# Altium PCB 3-as-manufactured.PcbDoc (part 14 of 16)
Units mil, origin at the board's own origin, x right, y up, seen from the top; angles counter-clockwise.
Board outline 4130.55 x 4250 mil, 8 copper layers (L1_TOP, L2_GND, L3_INT, L4_PWR, L5_PWR, L6_INT, L7_GND, L8_BOT), stack 61 mil thick; 584 components, 489 nets, 2229 pads, 1894 vias.
Unrouted connection lines stored in the file: 4.
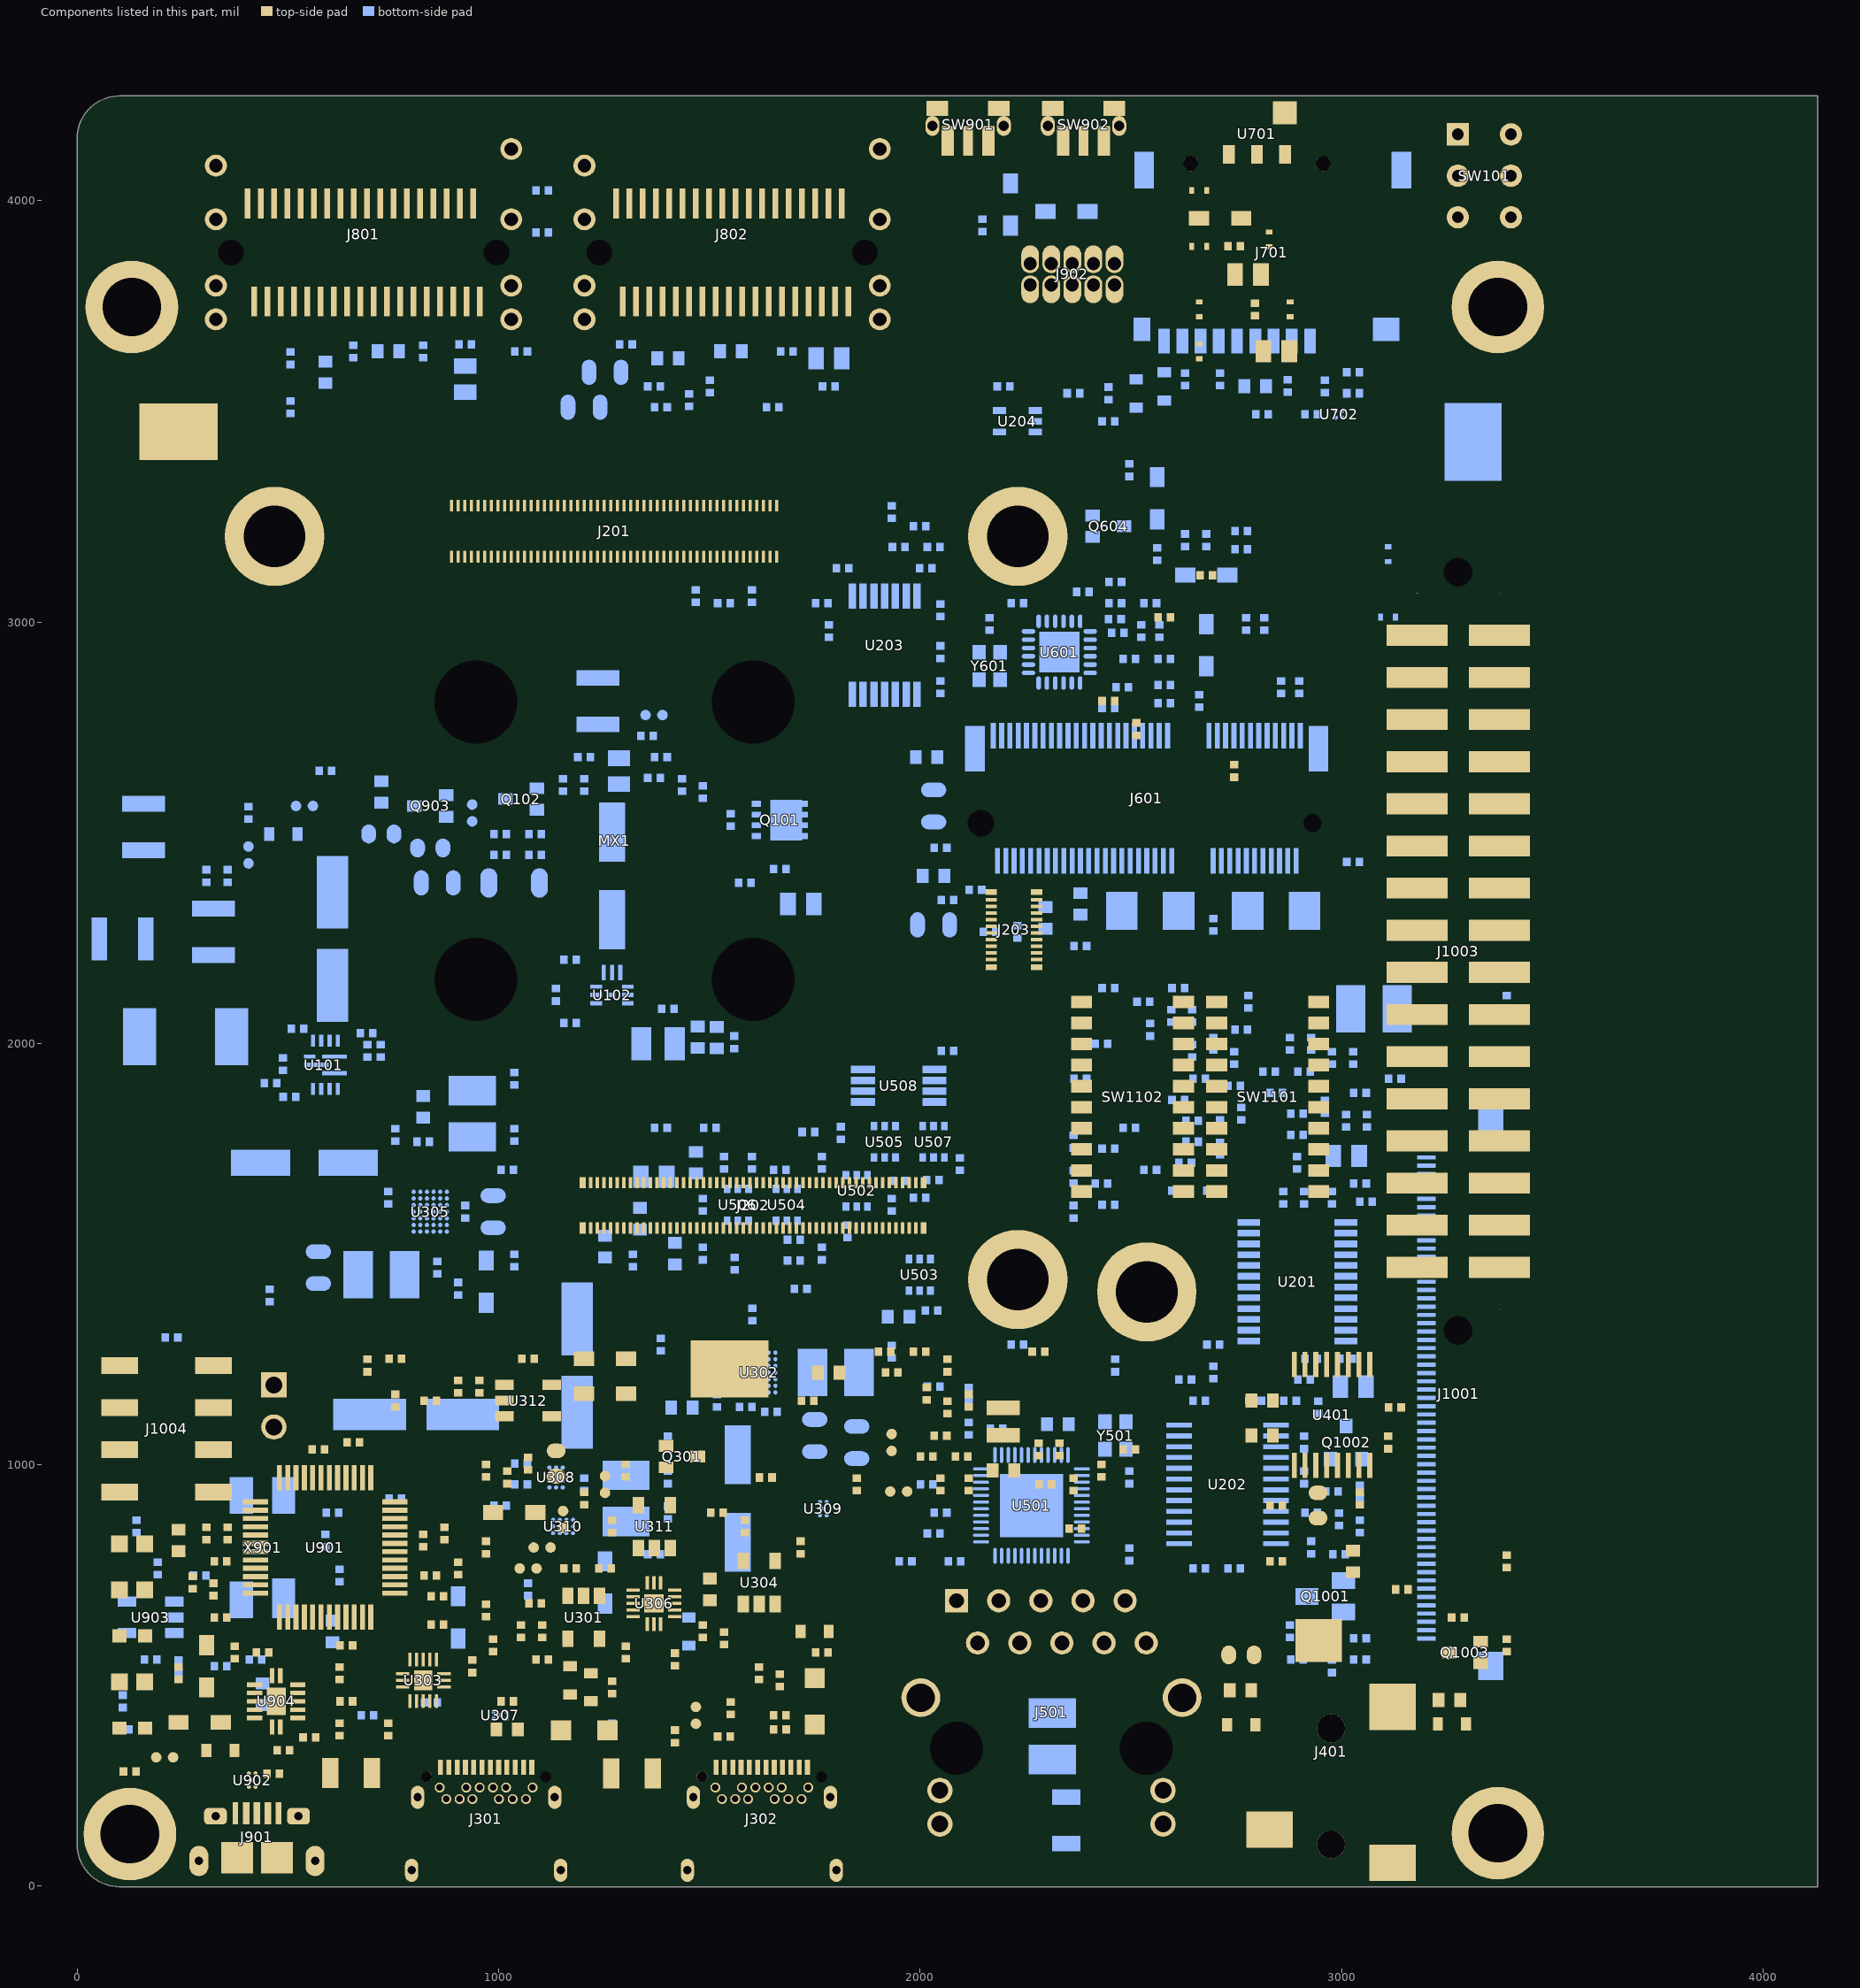
[diagram p20: the components of this part, seen from the top]

## Polygon pours and split planes (outlines as drawn) (continued)
VBUS_IN on L8_BOT "POUR_74" (solid, remove dead copper, pour order 305): 67 vertices, not listed, extent 1707.98,1058.27 1891,1136.91
GND on L8_BOT "GND_L08_P459" (solid, remove dead copper, pour order 459): 17 vertices, not listed, extent 2385.85,2965 2572.56,3153
VBUS_IN on L8_BOT "VBUS_IN_L08_P441" (solid, remove dead copper, pour order 441): 51 vertices, not listed, extent 383,1023.87 1353.27,1902
VDD_3V3 on L8_BOT "POUR_130" (solid, remove dead copper, pour order 356): 37 vertices, not listed, extent 1992.61,3206.09 2034.02,3252.56
VDD_5V on L8_BOT "POUR_179" (solid, remove dead copper, pour order 403): 27 vertices, not listed, extent 1665.12,1046.3 1791.19,1286.71
VDD_3V3 on L8_BOT "POUR_126" (solid, remove dead copper, pour order 352): 24 vertices, not listed, extent 3037.68,516.64 3099.7,560.05
ENET_AVDDL_1V1 on L8_BOT "POUR_7" (solid, remove dead copper, pour order 250): 66 vertices, not listed, extent 2334.93,751.11 2417.16,895.82
ENET_DVDDL_1V1 on L8_BOT "ENET_DVDDL_1V1_L08_P431" (solid, remove dead copper, pour order 431): 2315.56,1131.69 2328.03,1144.16 2328.03,1147.64 2342.8,1147.64 2379.06,1111.38 2379.06,1018.72 2339.05,978.71 2284.87,978.71 2278.05,985.53 2278.05,992.05 2286.53,1000.53 2317.05,1000.53 2317.05,1121.42 2315.93,1122.54
VDD_3V3 on L8_BOT "POUR_159" (solid, remove dead copper, pour order 383): 37 vertices, not listed, extent 1260.75,3497.98 1328.83,3634.77
ENET_AVDDL_1V1 on L8_BOT "ENET_AVDDL_1V1_L08_P432" (solid, remove dead copper, pour order 432): 2283.67,1008.3 2283.67,1048.31 2268.89,1063.08 2268.89,1074.92 2253.55,1090.25 2305.83,1150.31 2327.12,1119.88 2323.97,1043.22
VDD_3V3 on L8_BOT "POUR_125" (solid, remove dead copper, pour order 351): 28 vertices, not listed, extent 2871.8,1130.89 2923.9,1174.3
VDD_3V3 on L8_BOT "POUR_140" (solid, remove dead copper, pour order 365): 37 vertices, not listed, extent 2872.63,1711.11 2916.04,1755.24
VDD_3V3 on L8_BOT "POUR_138" (solid, remove dead copper, pour order 363): 31 vertices, not listed, extent 2858.87,1757.99 2900.28,1805.16
VPCIE_3V3 on L8_BOT "POUR_201" (solid, remove dead copper, pour order 422): 25 vertices, not listed, extent 2563.27,2231.64 2868.04,2398.26
VPCIE_3V3 on L8_BOT "POUR_197" (solid, remove dead copper, pour order 418): 37 vertices, not listed, extent 2149.51,2258.96 2345.72,2475.49
VDD_1V8 on L8_BOT "POUR_92" (solid, remove dead copper, pour order 321): 37 vertices, not listed, extent 1808.82,1666.13 1935.31,1825.76
VDDEXT_3V3 on L8_BOT "POUR_77" (solid, remove dead copper, pour order 307): 17 vertices, not listed, extent 1345.65,2698.83 1423.98,2763.55
VDDEXT_3V3 on L8_BOT "POUR_76" (solid, remove dead copper, pour order 306): 36 vertices, not listed, extent 1378.83,2607.59 1462.26,2701.65
PCIE_VDD_1V8 on L8_BOT "POUR_97" (solid, remove dead copper, pour order 326): 45 vertices, not listed, extent 2342.47,2821.89 2376.95,2883.29
PCIE_VDDA_1V8 on L8_BOT "POUR_96" (solid, remove dead copper, pour order 325): 53 vertices, not listed, extent 2223.12,2901.78 2284.62,2936.26
VDD_3V3 on L8_BOT "POUR_151" (solid, remove dead copper, pour order 376): 29 vertices, not listed, extent 1810.13,3106.48 1851.54,3159.02
VDD_3V3 on L8_BOT "POUR_157" (solid, remove dead copper, pour order 381): 30 vertices, not listed, extent 2794.69,3525.54 2846.1,3588.03
PCIE_VDD_1V8 on L8_BOT "POUR_102" (solid, remove dead copper, pour order 328): 26 vertices, not listed, extent 2031.61,2369.51 2083.02,2434.61
VDD_3V3 on L8_BOT "POUR_160" (solid, remove dead copper, pour order 384): 49 vertices, not listed, extent 1964.41,2239.76 2023.68,2340.14
VDD_3V3 on L8_BOT "POUR_152" (solid, remove dead copper, pour order 377): 37 vertices, not listed, extent 2726.16,2008.03 2767.57,2054.19
VDD_3V3 on L8_BOT "POUR_158" (solid, remove dead copper, pour order 382): 34 vertices, not listed, extent 2545.15,1051.02 2655.94,1112.03
VDD_3V3 on L8_BOT "POUR_133" (solid, remove dead copper, pour order 359): 28 vertices, not listed, extent 2754.91,1127.97 2800.75,1174.3
VDD_3V3 on L8_BOT "POUR_148" (solid, remove dead copper, pour order 373): 28 vertices, not listed, extent 2606.38,1628.94 2647.79,1684.58
VDD_3V3 on L8_BOT "POUR_141" (solid, remove dead copper, pour order 366): 31 vertices, not listed, extent 2440.5,1595.74 2494.32,1639.15
VDD_3V3 on L8_BOT "POUR_161" (solid, remove dead copper, pour order 385): 26 vertices, not listed, extent 1823.93,1860.8 1936.51,1933.17
USB1_OTG_VBUS_F on L8_BOT "USB1_OTG_VBUS_F_L08_P434" (solid, remove dead copper, pour order 434): 1619.88,1266.24 1619.88,1273.36 1620.82,1274.3 1629.37,1286.47 1629.37,1330 1664.12,1330 1664.12,1270.95 1650.34,1270.95 1645.63,1266.24
VDD_3V3 on L8_BOT "POUR_154" (solid, remove dead copper, pour order 379): 30 vertices, not listed, extent 1948.67,1316.26 2000.08,1380.02
VDD_3V3 on L8_BOT "POUR_150" (solid, remove dead copper, pour order 375): 29 vertices, not listed, extent 188.11,1274.94 229.52,1323.72
VLDO_3V3 on L8_BOT "POUR_194" (solid, remove dead copper, pour order 415): 27 vertices, not listed, extent 930.66,1321.4 1058.12,1520.1
VBUS_IN on L8_BOT "POUR_71" (solid, remove dead copper, pour order 302): 43 vertices, not listed, extent 691.35,2120.48 921.26,2498.36
VDD_3V3 on L8_BOT "POUR_135" (solid, remove dead copper, pour order 360): 30 vertices, not listed, extent 1528.95,2495.06 1581.96,2536.47
SYS_5V on L8_BOT "POUR_32" (solid, remove dead copper, pour order 271): 26 vertices, not listed, extent 1711.31,2292.89 1777.79,2406.23
VDD_5V on L8_BOT "POUR_176" (solid, remove dead copper, pour order 400): 36 vertices, not listed, extent 1642.1,2292.89 1716.37,2436.02
VDD_5V on L8_BOT "POUR_178" (solid, remove dead copper, pour order 402): 23 vertices, not listed, extent 1047.89,637.94 1158.18,710.3
USB1_OTG_VBUS_F on L8_BOT "POUR_45" (solid, remove dead copper, pour order 282): 27 vertices, not listed, extent 874.5,528.14 934.63,623.66
VLDO_3V3 on L8_BOT "POUR_192" (solid, remove dead copper, pour order 413): 29 vertices, not listed, extent 1017.54,981.48 1058.95,1030.95
VLDO_3V3 on L8_BOT "POUR_193" (solid, remove dead copper, pour order 414): 21 vertices, not listed, extent 1352.18,1180.06 1430.39,1291.36
VDD_5V on L8_BOT "VDD_5V_L08_P433" (solid, remove dead copper, pour order 433): 1575.51,1405 1617.09,1405 1647.55,1405 1660.63,1390.04 1683.94,1368.62 1683.94,1330 1664.12,1330 1629.37,1330 1629.37,1286.47 1612.68,1262.71 1604.14,1261.24 1575.51,1261.24
VDD_3V3 on L8_BOT "POUR_123" (solid, remove dead copper, pour order 349): 28 vertices, not listed, extent 1496.79,1681.59 1555.78,1723
VDD_1V8 on L8_BOT "POUR_88" (solid, remove dead copper, pour order 317): 1219.35,1519.23 1229.29,1525.48 1342.03,1525.48 1344.7,1525.48 1373,1525.48 1373,1504.66 1333.5,1479.84 1331.02,1478.98 1328.42,1478.68 1271.17,1466.83 1243.2,1456.58 1219.35,1473.23
VDD_3V3 on L8_BOT "POUR_156" (solid, remove dead copper, pour order 380): 20 vertices, not listed, extent 1306.8,1527.9 1354.11,1584.35
SYS_5V on L8_BOT "POUR_30" (solid, remove dead copper, pour order 269): 1172.5,1624.5 1322.32,1774.32 1371.76,1903.65 1374.19,1906.08 1380.04,1911.93 1391.74,1900.23 1406.95,1750.75 1394.64,1726.99 1367.06,1654.96 1366.19,1652.49 1364.8,1650.27 1362.94,1648.41 1219.35,1519.23 1172.5,1529
VDD_3V3 on L8_BOT "POUR_132" (solid, remove dead copper, pour order 358): 29 vertices, not listed, extent 1133.66,2021.66 1175.07,2070.79
SYS_5V on L8_BOT "POUR_29" (solid, remove dead copper, pour order 268): 32 vertices, not listed, extent 1163.18,2176.36 1370.74,2395.12
SYS_5V on L8_BOT "POUR_31" (solid, remove dead copper, pour order 270): 37 vertices, not listed, extent 1244.39,2057.85 1407.31,2132.05
VDD_3V3 on L8_BOT "POUR_128" (solid, remove dead copper, pour order 354): 39 vertices, not listed, extent 2013.13,2893.5 2070.02,2966.04
VDD_3V3 on L8_BOT "POUR_131" (solid, remove dead copper, pour order 357): 31 vertices, not listed, extent 2026.61,2983.4 2070.02,3034.52
PCIE_VDDA_1V8 on L8_BOT "POUR_101" (solid, remove dead copper, pour order 327): 2015.32,2699.05 2026.19,2764.66 2072.27,2764.66 2072.27,2706.85 2066.44,2663.44 2066.14,2660.84 2063.77,2633.2 2023.9,2617.27 2001.76,2639.41 2015.02,2696.44
VDD_5V on L8_BOT "POUR_175" (solid, remove dead copper, pour order 399): 23 vertices, not listed, extent 882.31,3577.06 1058.95,3699.84
VDD_5V on L8_BOT "POUR_173" (solid, remove dead copper, pour order 397): 20 vertices, not listed, extent 1677.42,3587.81 1851.74,3734.49
PCIE_VDD_DIG on L8_BOT "POUR_164" (solid, remove dead copper, pour order 388): 62 vertices, not listed, extent 2243.49,2974.42 2298.21,3029.75
USB2_VBUS_IN on L8_BOT "POUR_64" (solid, remove dead copper, pour order 296): 52 vertices, not listed, extent 938.8,1609.52 1058.12,1789.4
5V_REG on L8_BOT "POUR_19" (solid, remove dead copper, pour order 258): 23 vertices, not listed, extent 213.55,1936.67 494.64,2317.85
5V_REG on L8_BOT "POUR_21" (solid, remove dead copper, pour order 260): 46 vertices, not listed, extent 905.24,2318 1008.21,2427.86
USB2_VBUS_IN on L8_BOT "POUR_67" (solid, remove dead copper, pour order 298): 30 vertices, not listed, extent 515.97,1476.46 650.37,1629.18
ENET_DVDDL_1V1 on L8_BOT "POUR_14" (solid, remove dead copper, pour order 255): 23 vertices, not listed, extent 2369.03,1229.66 2484.74,1289.15
PCIE_VDD_DIG on L8_BOT "POUR_165" (solid, remove dead copper, pour order 389): 41 vertices, not listed, extent 2095.79,2293 2153.79,2424.98
VDDEXT_3V3 on L8_BOT "POUR_80" (solid, remove dead copper, pour order 309): 32 vertices, not listed, extent 1887.02,2535.92 2073.47,2648.92
VDD_3V3 on L8_BOT "POUR_147" (solid, remove dead copper, pour order 372): 27 vertices, not listed, extent 2307.51,1894.56 2386.03,1937.98
ENET_AVDD33 on L8_BOT "POUR_2" (solid, remove dead copper, pour order 245): 27 vertices, not listed, extent 1897.49,1306.52 1948.9,1380.02
VDD_3V3 on L8_BOT "POUR_137" (solid, remove dead copper, pour order 362): 28 vertices, not listed, extent 2822.03,1911.17 2863.44,1966.1
VDD_3V3 on L8_BOT "POUR_153" (solid, remove dead copper, pour order 378): 31 vertices, not listed, extent 2866.05,1911.17 2916.87,1954.58
VDD_3V3 on L8_BOT "POUR_149" (solid, remove dead copper, pour order 374): 37 vertices, not listed, extent 2623.8,2030.22 2673.24,2071.63
VDDEXT_3V3 on L8_BOT "VDDEXT_3V3_L08_P428" (solid, remove dead copper, pour order 428): 1393.75,2038.5 1376.77,2021.52 1376.77,1962 1362.18,1947.41 1586.91,1947.41 1605.63,1966.13 1605.63,2002.63 1606,2003 1600.24,2008.76 1549,2008.76 1549,2010.09 1532.5,2026.59 1453.66,2026.59 1441.75,2038.5
ENET_AVDD33 on L8_BOT "POUR_1" (solid, remove dead copper, pour order 244): 61 vertices, not listed, extent 2275.29,753.46 2319.15,816.42
ENET_AVDDL_1V1 on L8_BOT "POUR_9" (solid, remove dead copper, pour order 251): 40 vertices, not listed, extent 2239.12,730.2 2271.91,814.78
VPCIE_3V3 on L8_BOT "POUR_198" (solid, remove dead copper, pour order 419): 33 vertices, not listed, extent 2854.57,2377.44 3032.99,2481.11
VDD_3V3 on L8_BOT "POUR_145" (solid, remove dead copper, pour order 370): 20 vertices, not listed, extent 2552.22,2106.62 2618.27,2153.8
VDD_3V3 on L8_BOT "POUR_129" (solid, remove dead copper, pour order 355): 27 vertices, not listed, extent 1910.49,3215.04 1957.71,3266.94
VDD_3V3 on L8_BOT "POUR_127" (solid, remove dead copper, pour order 353): 29 vertices, not listed, extent 2125.31,2336.76 2166.72,2386.22
VDD_3V3 on L8_BOT "POUR_124" (solid, remove dead copper, pour order 350): 23 vertices, not listed, extent 2417.89,3537.28 2475.14,3608.82
5V_REG on L8_BOT "POUR_22" (solid, remove dead copper, pour order 261): 21 vertices, not listed, extent 14.52,2185.6 335.23,2512.28
VDDEXT_3V3 on L8_BOT "POUR_79" (solid, remove dead copper, pour order 308): 44 vertices, not listed, extent 1205.82,3439 1269.62,3551.76
USB2_OTG_VBUS on L1_TOP "USB2_OTG_VBUS_L01_P460" (solid, remove dead copper, pour order 460): 20 vertices, not listed, extent 1311,37.85 1803.1,495.51
USB2_OTG_VBUS on L1_TOP "POUR_55" (solid, remove dead copper, pour order 288): 22 vertices, not listed, extent 1694.97,286.92 1792.75,419.33
USB2_OTG_VBUS on L1_TOP "POUR_52" (solid, remove dead copper, pour order 285): 51 vertices, not listed, extent 1552.6,209.08 1602.02,303.2
GND on L1_TOP "GND_L01_P469" (solid, remove dead copper, pour order 469): 23 vertices, not listed, extent 1695.65,1029 1973.62,1378.97
VDD_5V on L1_TOP "VDD_5V_L01_P464" (solid, remove dead copper, pour order 464): 1635.89,1386.21 1652.08,1370.01 1692.98,1370.01 1692.98,1125.02 1713,1105 1709.12,1101.12 1658.19,1101.12 1658.19,1142.81 1640.5,1160.5 1640.5,1310.5 1621.26,1329.74 1620.86,1370.57
5VREG_SW on L1_TOP "5VREG_SW_L01_P462" (solid, remove dead copper, pour order 462): 623,1988 605,2006 510,2006 414,2102 87,2102 71,2086 71,1941 96,1916 594,1916 623,1945
VBUS_IN on L1_TOP "POUR_69" (solid, remove dead copper, pour order 300): 657.15,2315.25 972.97,2320.7 1114.91,1832 1016.68,1791.17 801.17,1807.13 801.17,1899.16 596.73,2103.6 596.73,2254.83
VDD_5V on L1_TOP "POUR_168" (solid, remove dead copper, pour order 392): 29 vertices, not listed, extent 1191.58,543.34 1346.68,671.11
USB2_OTG_VBUS_F on L1_TOP "POUR_59" (solid, remove dead copper, pour order 292): 1218.68,248.35 1213.39,295.32 1242.46,313.59 1252.62,320.81 1269.17,320.81 1286.54,314.75 1309,312.21 1309,222.87 1286.54,220.33 1247.54,220.33 1244.94,220.63 1242.46,221.49 1240.24,222.89 1225.28,237.85
VDD_5V on L1_TOP "VDD_5V_L01_P455" (solid, remove dead copper, pour order 455): 39 vertices, not listed, extent 1144.46,345.72 1999.37,1112.12
ENET_VDDIO on L1_TOP "ENET_VDDIO_L01_P427" (solid, remove dead copper, pour order 427): 36 vertices, not listed, extent 1984.02,864.33 2291.38,1079.59
VPCIE_3V3 on L1_TOP "POUR_196" (solid, remove dead copper, pour order 417): 20 vertices, not listed, extent 2508.59,2545.45 2700.56,2831.73
VLDO_3V3 on L1_TOP "POUR_184" (solid, remove dead copper, pour order 405): 33 vertices, not listed, extent 947.94,980.64 1091.3,1087.03
VDD_5V on L1_TOP "POUR_170" (solid, remove dead copper, pour order 394): 25 vertices, not listed, extent 1050.71,629.42 1160.03,692.86
VDD_5V on L1_TOP "POUR_169" (solid, remove dead copper, pour order 393): 41 vertices, not listed, extent 789.31,510.04 991.77,660.5
VDD_3V3 on L1_TOP "POUR_116" (solid, remove dead copper, pour order 342): 24 vertices, not listed, extent 2710.05,1041.39 2811.51,1112.17
VDD_1V8 on L1_TOP "POUR_83" (solid, remove dead copper, pour order 312): 28 vertices, not listed, extent 1355,1508.59 1501.23,1622.53
USB2_OTG_VBUS_F on L1_TOP "POUR_58" (solid, remove dead copper, pour order 291): 39 vertices, not listed, extent 1350.57,573.55 1383.89,649.65
USB1_OTG_VBUS_F on L1_TOP "POUR_41" (solid, remove dead copper, pour order 278): 26 vertices, not listed, extent 719.18,438 799.26,504.24
SYS_5V on L1_TOP "POUR_23" (solid, remove dead copper, pour order 262): 24 vertices, not listed, extent 1174.79,1529.4 1312.23,1749.39
ENET_DVDDL_1V1 on L1_TOP "POUR_10" (solid, remove dead copper, pour order 252): 27 vertices, not listed, extent 2146,958.38 2302.26,1110.05
ENET_AVDDL_1V1 on L1_TOP "POUR_3" (solid, remove dead copper, pour order 246): 2294.93,1083.52 2420.41,1106.72 2495.53,1056.93 2497.75,1055.54 2499.6,1053.69 2500.99,1051.47 2501.86,1048.99 2502.15,1046.39 2502.15,1026.39 2501.86,1023.78 2502.02,960.11 2449.05,907 2311.91,907 2294.93,952.6
ENET_LX on L1_TOP "POUR_15" (solid, remove dead copper, pour order 256): 36 vertices, not listed, extent 2146,1106.49 2332.98,1163.9
VDD_1V8 on L1_TOP "VDD_1V8_L01_P429" (solid, remove dead copper, pour order 429): 17 vertices, not listed, extent 475.96,324 585,395.71
VDD_3V3 on L1_TOP "VDD_3V3_L01_P458" (solid, remove dead copper, pour order 458): 1771.67,1195.38 1738.89,1162.6 1738.89,1112.53 1739.3,1112.12 1701.34,1112.12 1696.24,1117.22 1696.24,1332.24 1710,1346 1723,1346 1736.76,1332.24 1736.76,1267.09 1740.09,1267.09 1771.67,1235.5
VLDO_3V3 on L1_TOP "POUR_185" (solid, remove dead copper, pour order 406): 37 vertices, not listed, extent 1050.71,856.81 1225.27,955.64
VDD_3V3 on L1_TOP "POUR_114" (solid, remove dead copper, pour order 340): 29 vertices, not listed, extent 1462.6,563.41 1506.01,610.69
GND on L1_TOP "GND_L01_P439" (solid, remove dead copper, pour order 439): 22 vertices, not listed, extent 2096.33,799.12 2393.2,1042.15
VDD_5V on L1_TOP "POUR_166" (solid, remove dead copper, pour order 390): 1735.67,3691.5 1735.67,3844.17 1789.74,3850.27 1811.16,3833.73 1816.13,3799.32 1816.43,3796.72 1816.43,3725.72 1816.13,3723.12 1811.52,3657 1735.67,3657
VDD_5V on L1_TOP "POUR_167" (solid, remove dead copper, pour order 391): 859.79,3842.58 888.16,3860.41 935.93,3838.32 941.56,3799.32 941.86,3796.72 940.49,3769.55 941.86,3725.72 941.37,3710.23 930.55,3699.75 909.72,3699.75 874.31,3708.7 873.25,3723.12
VDD_5V on L1_TOP "POUR_171" (solid, remove dead copper, pour order 395): 35 vertices, not listed, extent 3289.92,3016.21 3458.22,3221.35
VDD_3V3 on L1_TOP "POUR_106" (solid, remove dead copper, pour order 332): 34 vertices, not listed, extent 2716.97,3699 2816.51,3863.44
VDD_3V3 on L1_TOP "POUR_103" (solid, remove dead copper, pour order 329): 26 vertices, not listed, extent 3023.56,956.81 3058.97,1056.66
VDD_3V3 on L1_TOP "POUR_119" (solid, remove dead copper, pour order 345): 40 vertices, not listed, extent 1359.57,1623.69 1501.91,1701.77
VDD_3V3 on L1_TOP "POUR_110" (solid, remove dead copper, pour order 336): 28 vertices, not listed, extent 1992.6,1247.1 2034.02,1294.21
VDD_3V3 on L1_TOP "POUR_118" (solid, remove dead copper, pour order 344): 1266.36,1234.71 1266.36,1269.71 1266.65,1272.31 1275.31,1315.68 1275.31,1353.48 1350.92,1353.48 1356.13,1263.27 1350.92,1225.47 1332.49,1221.8 1326.07,1223 1278.07,1223 1271.64,1221.8 1267.52,1229.63 1266.65,1232.1
PCIE_VDDA_1V8 on L1_TOP "POUR_93" (solid, remove dead copper, pour order 322): 18 vertices, not listed, extent 2449.37,2936.81 2585.1,3050.08
VDD_1V8 on L1_TOP "POUR_82" (solid, remove dead copper, pour order 311): 29 vertices, not listed, extent 526.49,3661.93 604.84,3808.43
VDD_1V8 on L1_TOP "POUR_81" (solid, remove dead copper, pour order 310): 36 vertices, not listed, extent 1386.93,3653.95 1469.98,3808.43
VDD_3V3 on L1_TOP "POUR_121" (solid, remove dead copper, pour order 347): 175.1,1310.51 159.2,1227.32 175.1,1161.07 100.37,1161.07 25.65,1161.07 25.65,1310.51 100.38,1310.51
VDD_3V3 on L1_TOP "POUR_112" (solid, remove dead copper, pour order 338): 37 vertices, not listed, extent 2090.21,1146.65 2136.38,1189.66
VLDO_3V3 on L1_TOP "POUR_186" (solid, remove dead copper, pour order 407): 40 vertices, not listed, extent 1091.99,1166.29 1247.92,1281.41
VLDO_3V3 on L1_TOP "POUR_183" (solid, remove dead copper, pour order 404): 28 vertices, not listed, extent 1293.77,873.35 1356.89,935.76
USB1_OTG_VBUS_F on L1_TOP "POUR_42" (solid, remove dead copper, pour order 279): 29 vertices, not listed, extent 569.21,221.58 672.41,316
VDD_3V3 on L1_TOP "POUR_113" (solid, remove dead copper, pour order 339): 29 vertices, not listed, extent 1081.06,569.28 1130.49,610.69
VDD_3V3 on L1_TOP "POUR_109" (solid, remove dead copper, pour order 335): 21 vertices, not listed, extent 1275.15,486.95 1338.23,560.89
VDD_3V3 on L1_TOP "POUR_108" (solid, remove dead copper, pour order 334): 25 vertices, not listed, extent 1386.93,349.78 1440.09,410.58
USB2_OTG_VBUS on L1_TOP "POUR_53" (solid, remove dead copper, pour order 286): 40 vertices, not listed, extent 1523.8,334.02 1671.82,457.6
USB1_OTG_VBUS on L1_TOP "POUR_37" (solid, remove dead copper, pour order 274): 31 vertices, not listed, extent 1013.3,320.02 1182.9,489.49
VDD_3V3 on L1_TOP "POUR_107" (solid, remove dead copper, pour order 333): 1627.66,979.98 1627.95,982.59 1628.82,985.06 1640.24,1018.25 1700.93,1018.25 1760.89,1018.25 1760.89,898.34 1700.2,898.34 1640.24,898.34 1628.82,954.9 1627.95,957.38 1627.66,959.98
VDD_3V3 on L1_TOP "POUR_117" (solid, remove dead copper, pour order 343): 19 vertices, not listed, extent 2998.84,753.06 3088.21,832.5
VDD_3V3 on L1_TOP "POUR_104" (solid, remove dead copper, pour order 330): 31 vertices, not listed, extent 2799.64,749.06 2850.51,792.47
ENET_VDDH_2V5 on L1_TOP "ENET_VDDH_2V5_L01_P426" (solid, remove dead copper, pour order 426): 18 vertices, not listed, extent 2020.89,765.64 2433.83,1029.79
VDD_3V3 on L1_TOP "POUR_120" (solid, remove dead copper, pour order 346): 228.75,1178.72 228.75,1296.45 250.64,1318.34 303.48,1371.17 409.15,1265.5 378.19,1178.72
USB1_OTG_VBUS on L1_TOP "POUR_36" (solid, remove dead copper, pour order 273): 34 vertices, not listed, extent 667.63,221.58 773.07,378.27
USB1_OTG_VBUS on L1_TOP "POUR_38" (solid, remove dead copper, pour order 275): 31 vertices, not listed, extent 915.18,486.27 962.35,527.68
USB2_OTG_VBUS on L1_TOP "POUR_54" (solid, remove dead copper, pour order 287): 45 vertices, not listed, extent 1443.51,361.32 1498.58,409.74
VDD_3V3 on L1_TOP "POUR_111" (solid, remove dead copper, pour order 337): 37 vertices, not listed, extent 1926.25,1197.3 1970.37,1240.71
VLDO_3V3 on L6_INT "POUR_188" (solid, remove dead copper, pour order 409): 1000.75,1066.75 1150.45,1216.45 1202.45,1164.45 1032.64,994.64 1000.75,1026.53
VLDO1_3V3 on L6_INT "VLDO1_3V3_L06_P467" (solid, remove dead copper, pour order 467): 1016.51,923 1000.75,938.76 1000.75,960.29 1072,1031.54 1154.46,1114 1177,1114 1193.38,1097.62 1193.38,1088.06 1028.33,923
USB1_OTG_VBUS_F on L6_INT "POUR_44" (solid, remove dead copper, pour order 281): 856.47,513 760.94,513 795,556 856.47,543.52 1001.8,658.52 1125.28,700.65 1253.28,758.55 1352.06,774.43 1373.05,753.44 1332.73,713.12 1211.13,655.22 1104.14,615.27 932.89,528.44 887.9,513
VCC on L6_INT "VCC_L06_P451" (solid, remove dead copper, pour order 451): 35 vertices, not listed, extent 788.87,772.54 2064.89,3018
VLDO_3V3 on L6_INT "POUR_187" (solid, remove dead copper, pour order 408): 911.3,1351.82 961.08,1401.6 1010.52,1352.16 1035.41,1327.27 1007.26,1216.63 964,1216.63
VLDO_3V3 on L6_INT "POUR_191" (solid, remove dead copper, pour order 412): 1236.22,1302.01 1423.11,1255.68 1423.11,1171.71 1088.32,1154.12
ENET_AVDDL_1V1 on L6_INT "POUR_6" (solid, remove dead copper, pour order 249): 2390.58,910.11 2429.57,931.07 2442.18,943.68 2467.4,918.46 2433.83,855.07 2390.58,855.07 2386.98,888.48
PCIE_VDD_DIG on L6_INT "POUR_163" (solid, remove dead copper, pour order 387): 2195.83,2835.13 2201.75,2989.57 2220.56,3008.37 2238.3,3008.37 2251.59,3003.38 2259.94,3000.24 2225.51,2482.97 2152.07,2409.52 2141.57,2399.03 2120.58,2420.02
USB1_OTG_VBUS_F on L6_INT "POUR_43" (solid, remove dead copper, pour order 280): 629.39,255.97 604.4,280.96 728.87,479.07 729.66,479.86 730.6,480.45 731.64,480.82 732.75,480.94 733.85,480.82 734.9,480.45 740.36,478.52 753.18,466.12 737.09,363.67 635.69,262.28
VLDO_3V3 on L6_INT "POUR_189" (solid, remove dead copper, pour order 410): 1075.67,978.85 1093.51,978.85 1107.85,927.99 1095.24,915.38 1075.67,934.94 1075.67,969.93
VLDO_3V3 on L6_INT "POUR_190" (solid, remove dead copper, pour order 411): 1220.32,916.7 1309.43,944.98 1340.02,914.4 1286.56,860.94 1271.27,845.65 1216.64,842.6 1186.84,854.67 1186.84,872.5 1195.1,891.48
USB2_VBUS_IN on L6_INT "POUR_63" (solid, remove dead copper, pour order 295): 569.43,1463.45 500.46,1532.42 562,1757 741,1787 1057,1787 1031,1614 1007,1599.37 705.35,1599.37 603.92,1497.94
ENET_AVDDL_1V1 on L6_INT "POUR_4" (solid, remove dead copper, pour order 247): 2218.98,766.89 2338.11,766.89 2366.52,766.89 2360.53,754.97 2360.17,753.92 2359.58,752.98 2366.52,710.06 2247.39,710.06 2218.98,710.06
VDD_5V on L5_PWR "VDD_5V_L05" (solid, remove dead copper, pour order 447): 64 vertices, not listed, extent 245,59.83 3470,4183
VDD_1V8 on L5_PWR "VDD_1V8_L05_P437" (solid, remove dead copper, pour order 437): 38 vertices, not listed, extent 528.91,293 3036,3978
PCIE_VDD_1V8 on L5_PWR "PCIE_VDD_1V8_L05_P442" (solid, remove dead copper, pour order 442): 2300,3015.74 2417.1,3039.04 2444.18,3030.82 2477,2998 2477,2882 2387,2792 2387,2418 2376,2407 2300,2407
SYS_5V on L5_PWR "SYS_5V_L05" (solid, remove dead copper, pour order 446): 1040.01,2143.49 1040.01,2510.51 1096.49,2566.99 1806,2566.99 1806,2170 1267,1631 1267,1549 1162.01,1549 1162.01,2019 ccw(c1156,2019) 1160.25,2023.25
USB1_OTG_VBUS_F on L5_PWR "USB1_OTG_VBUS_F_L05_P436" (solid, remove dead copper, pour order 436): 17 vertices, not listed, extent 1222,712 1660,1325
USB1_VBUS_IN on L5_PWR "POUR_47" (solid, remove dead copper, pour order 283): 1649,1288.14 1665.1,1295.17 1690,1295.17 1723.07,1132.88 1900.72,1017.73 1890.98,995.58 1794.2,939.87 1601.11,947.79 1559.66,947.79
VBUS_IN on L4_PWR "VBUS_IN_L04_P448" (solid, remove dead copper, pour order 448): 22 vertices, not listed, extent 0,0 3428,2660.75
VDD_3V3 on L4_PWR "VDD_3V3_L04_P445" (solid, remove dead copper, pour order 445): 43 vertices, not listed, extent 112,307 3172.21,3742
VDDEXT_3V3 on L4_PWR "VDDEXT_3V3_L04_P430" (solid, remove dead copper, pour order 430): 24 vertices, not listed, extent 1206,1972 2070,3560
GND on L2_GND "GND_L02_P424" (solid, remove dead copper, pour order 424): 3399.63,4248.79 cw(c3399.63,4148.79) 3499.63,4148.79 3499.63,100 cw(c3399.63,100) 3399.63,0 100,0 cw(c100,100) 0,100 0,4148.79 cw(c100,4148.79) 100,4248.79 126.77,4248.79
GND on L7_GND "GND_L07_P425" (solid, remove dead copper, pour order 425): 3399.63,4248.79 cw(c3399.63,4148.79) 3499.63,4148.79 3499.63,100 cw(c3399.63,100) 3399.63,0 100,0 cw(c100,100) 0,100 0,4148.79 cw(c100,4148.79) 100,4248.79 126.77,4248.79

## Silkscreen, mask and mechanical layers (free items; w line width, h text height)
Top Overlay:
  lines w5: 63.63,862.79 33.63,862.79 34.54,292.74 105.12,292.74 ; 349.69,3179.59 349.69,1421.63 ccw(c449.69,1421.63) 449.69,1321.63 2207.65,1321.63 ; 349.94,3228.64 cw(c449.69,3221.63) 442.68,3321.38 ; 491.73,3321.63 2207.65,3321.63 ; 2256.7,1321.88 ccw(c2249.69,1421.63) 2349.44,1414.62 ; 2256.7,3321.38 cw(c2249.69,3221.63) 2349.44,3228.64 ; 2349.69,1463.67 2349.69,3179.59
  lines w6: 3539.3,3414.26 4117.18,3414.26 ; 3542.72,2551.1 4117.18,2551.1 ; 3545.68,4179.61 4117.18,4179.61 ; 3546.98,1782.53 4117.18,1782.53 ; 3678.24,1788.09 3678.24,4169.04 ; 3732.63,11.79 3732.63,1578.79 4117.18,1578.79 ; 3797.29,1783.84 3797.29,4164.79 ; 3930.7,1786.78 3930.7,4167.73
  lines w20: 3143.39,4051.92 3233.39,4051.92 ; 3193.39,4011.92 cw(c3143.39,4051.9) 3143.39,3987.88 cw(c3143.39,4051.92) 3193.4,4091.93
  text "ON" at 3087,4151 h59.8
  text "IR" at 2933.23,4144.24 h35
  text "Download Mode" at 3606.44,4137.86 h50 r270
  text "eMMC/SDHC3" at 3986.98,4137.86 h50 r270
  text "MicroSD/SDHC2" at 3845.12,4135.4 h50 r270
  text "NAND Flash" at 3722.25,4131.31 h50 r270
  text "RESET" at 2289,4022 h59.8
  text "ONOFF" at 2000,4020 h59.8
  text "OFF" at 3078,3897 h59.8
  text "JTAG" at 2268,3659 h59.8
  text "DSI MIPI" at 506,3554 h59.8
  text "CSI MIPI" at 1387,3552 h59.8
  text "8MMINI-BB" at 926,3381 h100
  text "1010XXXXXX SW1101" at 3622.42,3366.75 h35 r270
  text "XXXXXXXXX0 SW1102" at 3555.42,3362.75 h35 r270
  text "0001010100 SW1102" at 3943.78,3362.62 h35 r270
  text "0110110001 SW1101" at 4006.78,3361.43 h35 r270
  text "1000111100 SW1102" at 3693.99,3360.48 h35 r270
  text "0001101000 SW1102" at 3806.78,3360.62 h35 r270
  text "0110110010 SW1101" at 3869.78,3360.62 h35 r270
  text "0110000000 SW1101" at 3746.29,3359.75 h35 r270
  text "GND" at 201,3327 h31
  text "8MMINI" at 4042,2819 h55 r270
  text "1100 SW1101[1-4]" at 3872.84,2533.33 h35 r270
  text "0100 SW1101[1-4]" at 3986,2528 h35 r270
  text "1000 SW1101[1-4]" at 3618.19,2524.46 h35 r270
  text "0010 SW1101[1-4]" at 3741.03,2520.57 h35 r270
  text "8MNANO" at 4047,2118 h55 r270
  text "1 2 3 4 5 6 7 8 9 10" at 3006.74,2110.93 h85 r270
  text "ON" at 2918.64,1552.92 h59.8 r270
  text "WIFI/BT ANTENNA" at 3573.63,1536.29 h100 r270
  text "I2C_CN" at 125,1330 h35
  text "VBUS_IN" at 518,1148 h35
  text "GND" at 1496,1096 h35
  text "GND" at 532,1091 h35
  text "PWR" at 97.63,750.79 h25
  text "A53TX" at 74.65,636.91 h25
  text "A53RX" at 70.63,530.79 h25
  text "L" at 3128,498 h40.2
  text "M4TX" at 85.63,414.79 h25
  text "PORT1" at 820,348 h35
  text "M4RX" at 85.63,314.79 h25
  text "POWER" at 1886,267 h40.2 r90
  text "R" at 2789,200 h40.2
  text "GND" at 3119,127 h35
  text "LINEOUT" at 2754,38 h40.2 r90
  text "PORT2" at 1402,29 h35 r90
  text "TYPE-C" at 1885,28 h40.2 r90
  text "Downlood" at 1229.13,22.29 h40.2 r90
  text "DEBUG" at 657.13,19.29 h40.2 r90
Bottom Overlay:
  circle w7: c135.33,1109.2 r7.5
  lines w5: 1935.63,1591.17 1935.63,1416.79 1962.44,1416.79 1936.63,1416.79 ; 1935.63,1614.19 1935.63,1620.69 ; 1935.63,1643.71 1935.63,1661.34 ; 1935.63,1686.36 1935.63,1716.72 ; 1935.63,1741.74 1935.63,1791.54 ; 1935.63,1816.56 1935.63,2616.79 2006.05,2616.79 1936.63,2616.79 ; 3039.8,1416.79 3050.63,1416.79 ; 3115.63,1416.79 3135.63,1416.79 ; 3125.63,1416.79 3136.63,1416.79 3136.63,1903.76 ; 3135.63,2616.79 2057.41,2616.79 3136.63,2616.79 3136.63,2140.8 ; 3136.63,1928.78 3136.63,2023.78 ; 2034.66,1416.79 2113.28,1416.79 2034.66,1416.79 ; 2349.88,1416.79 2407.76,1416.79 2349.88,1416.79 ; 2667.5,1416.79 2750.28,1416.79 2667.5,1416.79 ; 2809.3,1416.79 2980.78,1416.79 2809.3,1416.79
  lines w7: 84.13,1137.6 300.63,914.7 ; 97.33,916.4 305.63,1141.1 ; 142.43,1099.2 129.13,1098.9 264.93,1098.9 ; 142.43,1101 154.13,969.1 ; 178.93,944.3 232.13,944.3 232.13,956.7 244.83,1106.2 ; 222.83,1104.2 222.83,1119.2 ; 72.83,899.2 322.83,899.2 322.83,1149.2 72.83,1149.2 72.83,899.2 ; 127.83,1065.5 127.83,1084.5 144.13,1084.5 145.33,1065.5 127.83,1065.5 ; 142.23,948.1 cw(c159.83,948.1) 159.83,965.7 cw(c159.83,948.1) 177.43,948.1 cw(c159.83,948.1) 159.83,930.5 cw(c159.83,948.1) 142.23,948.1 ; 144.63,1109.5 cw(c169.53,1080.69) 171.83,1118.7 144.63,1109.5 ; 155.93,948.1 cw(c159.83,948.1) 159.83,952 cw(c159.83,948.1) 163.73,948.1 cw(c159.83,948.1) 159.83,944.2 cw(c159.83,948.1) 155.93,948.1 ; 169.33,1050.4 169.33,1059.7 203.93,1059.7 203.93,1050.4 169.33,1050.4 ; 172.43,1115.8 207.03,1115.8 207.03,1125.4 172.43,1125.4 172.43,1115.8 ; 207.93,1119.2 cw(c206.15,1050.51) 244.83,1107.3 207.93,1119.2
  lines w8: 1999.73,3771.19 cw(c1999.73,3739.51) 2023.73,3760.19 ccw(c2047.04,3780.3) 2030.73,3754.19 2066.73,3742.19 cw(c2066.73,3717.17) 2091.73,3718.19 ccw(c2097.45,3720.36) 2100.73,3715.19 ; 2012.73,3803.19 cw(c2012.73,3778.19) 2019.73,3802.19 ccw(c2026.93,3826.88) 2025.73,3801.19 ccw(c2033.23,3961.8) 2040.73,3801.19 ccw(c2035.44,3914.38) 2065.73,3805.19 cw(c2077.41,3763.09) 2104.73,3797.19 cw(c2094.86,3784.85) 2109.73,3790.19 ccw(c2123.31,3795.01) 2116.73,3782.19 2121.73,3778.19 2127.73,3773.19 cw(c2116.83,3760.11) 2133.73,3762.19 ; 2073.73,3756.19 cw(c2069.14,3725.87) 2093.73,3744.19 cw(c1926.11,3619.4) 2100.73,3734.19 cw(c2086.43,3724.82) 2101.73,3717.19 ; 2094.73,3769.19 ccw(c2265.19,3985.91) 2109.73,3758.19 ; 2114.73,3756.19 2120.73,3755.19 cw(c1981.73,3802.75) 2117.73,3747.19 ccw(c2131.84,3741.36) 2116.73,3739.19 2118.73,3725.19 2115.73,3719.19 ccw(c2120.23,3716.86) 2123.73,3713.19 ccw(c2106.59,3730.19) 2130.73,3730.19 2130.73,3743.19 2131.73,3751.19 2132.73,3757.19
  lines w10: 1945.73,3678.19 2135.73,3800.19 ; 2196.73,3678.19 1948.73,3678.19 2071.73,3927.19 2197.73,3678.19 ; 691.24,3143.94 1766.24,3143.94 1766.24,3393.94 691.24,3393.94 691.24,3143.94 ; 3226.63,2265.79 3226.63,3305.79 3476.63,3305.79 3476.63,2265.79 3226.63,2265.79
  text "Quilter Job" at 4013.62,4137.05 h85
  text "https://dev-sergiy.allegrolabs.dev/jobs/68a693f5f9363615c0968e36?candidate=88" at 4034,3678 h85
  text "GND" at 3407,3388 h31 r270
  text "https://allegro-labs-2.365.altium.com/designs/60C70808-1843-4829-AE5C-73A623C4CF09?variant=Factory&activeView=PCB&activeDocumentId=IMX8MMEVK_BB_QC88.PcbDoc&layers=[1,1,2,3,4,5,6,7,32,37,38,35,36,33,34,58,63,64,67,68,74,55]&location=[2,29.1,22.02,21.86,0]#design" at 4103,2974 h85
  text "A365" at 3891.82,2854.12 h85
  text "CANDIDATE 88" at 3270,2299 h100 r270
  text "JOB: 68a693f5f9363615c0968e36" at 3388.56,2294 h90 r270
  text "M.2 CARD" at 2249,1743 h59.8 r270
  text "E-KEY" at 2196,1742 h31 r270
  text "AUDIO CONNECTOR" at 3479.53,1593.14 h59.8 r90
  text "GND" at 2464.81,1533.69 h25
  text "VBUS_IN" at 534,1236 h25
  text "GND" at 500,1023 h25
  text "SERIAL" at 1046,123 h35
  text "PRIMARY" at 1712,122 h35
  text "POWER IN" at 1729,56 h35
  text "DOWNLOAD" at 1100,53 h35
Board:
  lines w2.3: -0.37,98.79 ccw(c99.63,98.79) 99.63,-1.21 2889.47,-1.21 2936,-1.21 3097.78,-1.21 4130.18,-1.21 4130.18,4248.79 4092,4248.79 3539.63,4248.79 2437.63,4248.79 2314.63,4248.79 2256.63,4248.79 2253.63,4248.79 2062.63,4248.79 1991.63,4248.79 99.63,4248.79 ccw(c99.63,4148.79) -0.37,4148.79 -0.37,98.79